# Altium PCB Drone.PcbDoc (part 1 of 2) (continued)
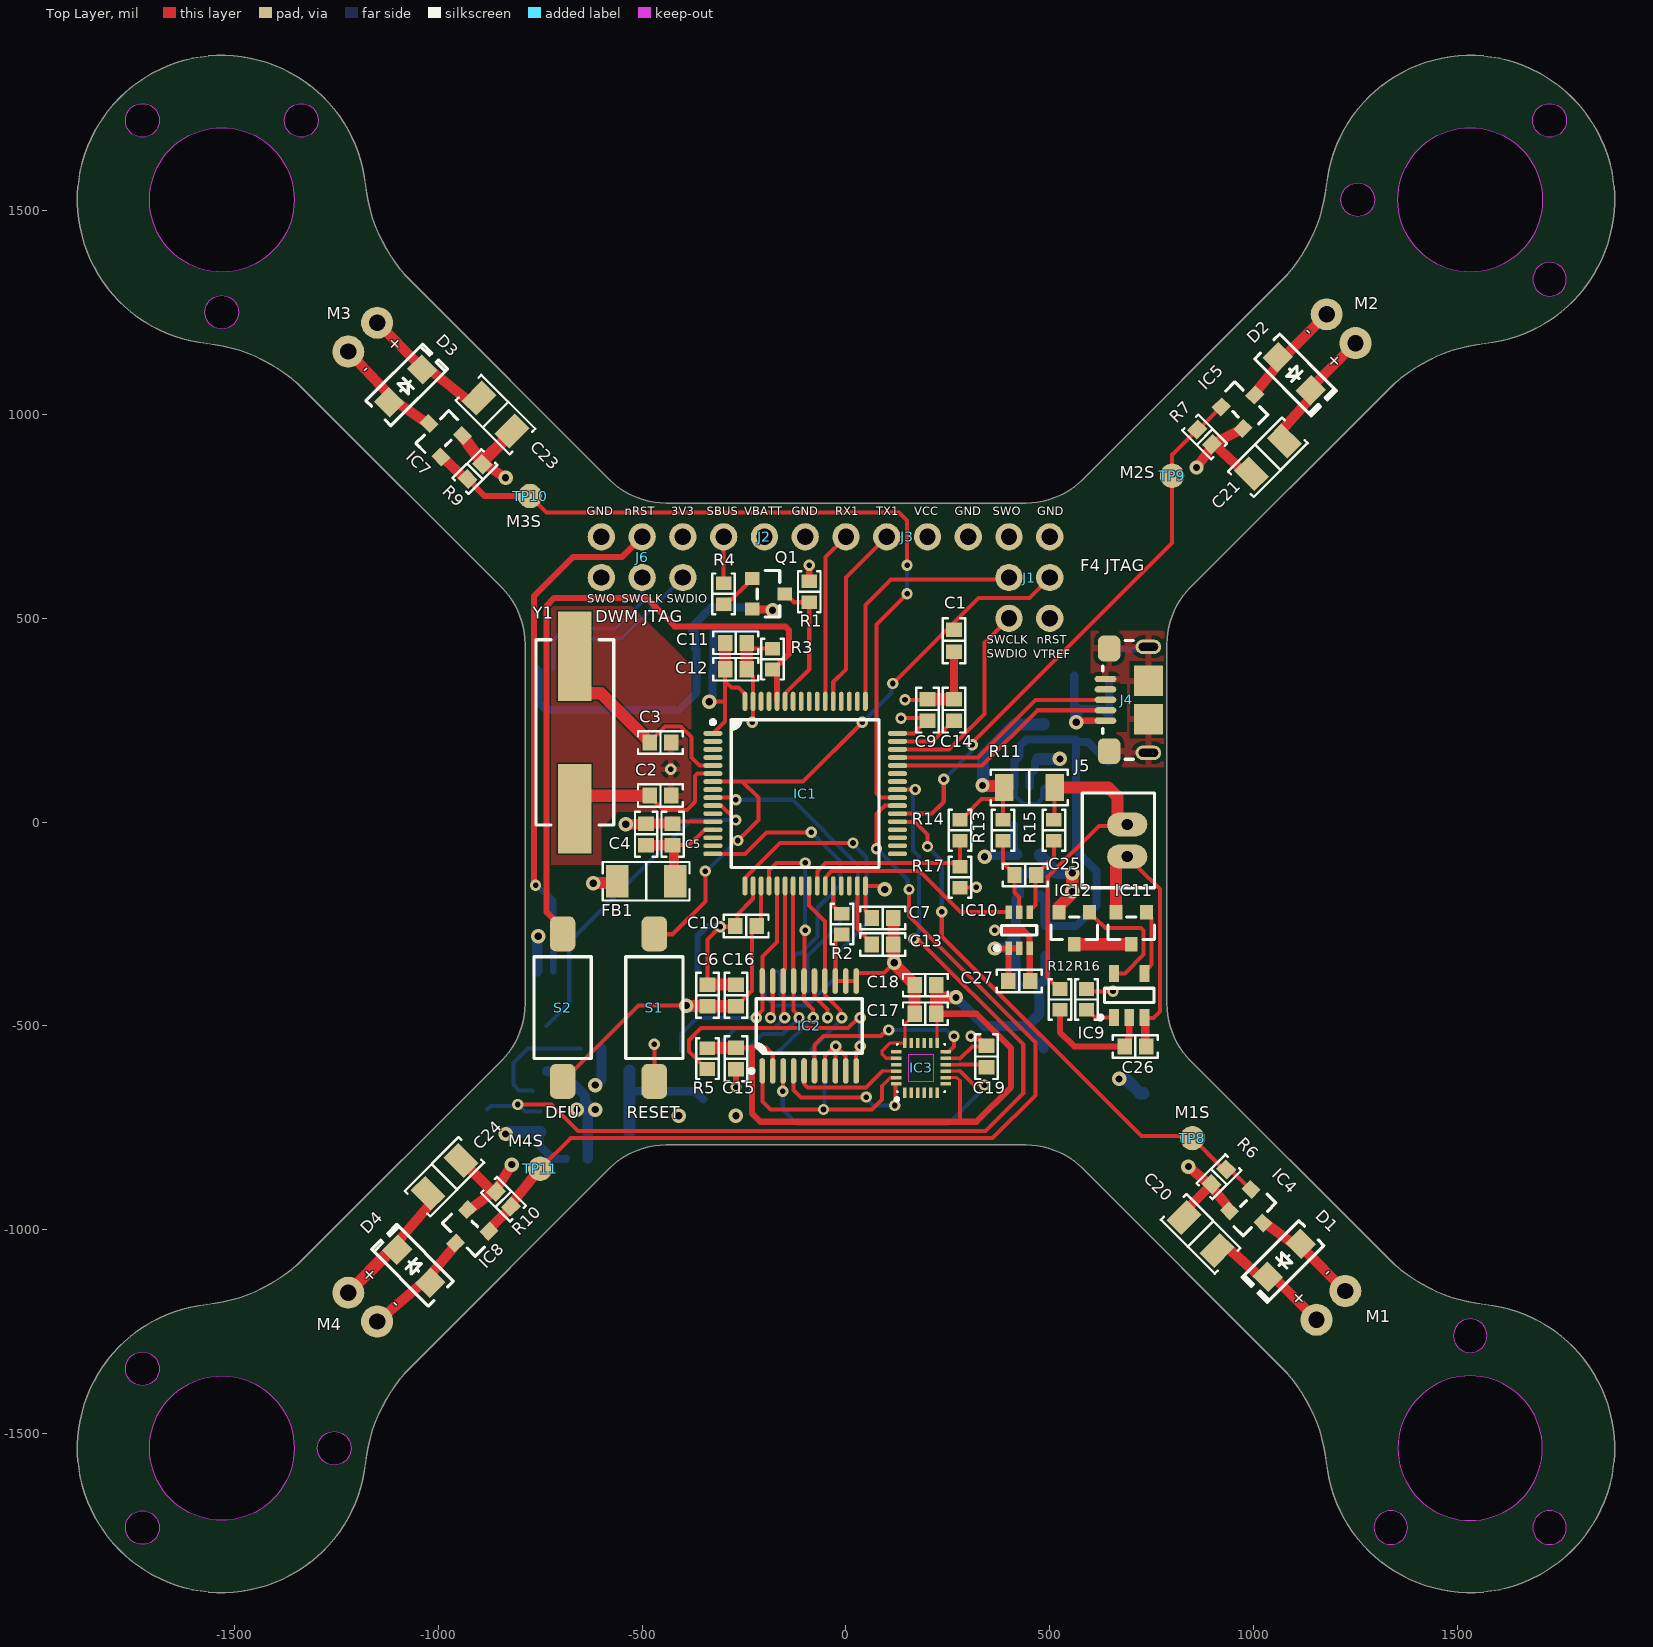
[diagram p0: Top Layer view]
## Part data (continued)
C25: library part CC0603JRX7R8BB223, "CAP CER 0.022UF 25V X7R 0603", Device Package="0603 (1608 Metric)", Manufacturer=Yageo, Operating Temperature="-55°C ~ 125°C", Supplier Part Number 1=311-3998-1-ND, Temperature Coefficient=X7R, Tolerance=±5%, Voltage - Rated=25V, Applications="General Purpose", Capacitance=0.022µF, ComponentLink1Description=Datasheet, ComponentLink1URL=https://www.yageo.com/upload/media/product/productsearch/datasheet/mlcc/UPY-GPHC_X7R_6.3V-to-50V_18.pdf, ComponentLink2Description="DigiKey Link", ComponentLink2URL=http://digikey.com/product-detail/en/yageo/CC0603JRX7R8BB223/311-3998-1-ND/8025087, LastUpdated="9/2/2020 1:03:31 AM", Lifecycle Status=Active, Minimum Order=1, Mounting Type="Surface Mount, MLCC", Package / Case="0603 (1608 Metric)", Packaging=TapeAndReel, Part Number=CC0603JRX7R8BB223, Part Status=Active, PartId=5308, Price=0.01, Series=CC, Size / Dimension="0.063\" L x 0.031\" W (1.60mm x 0.80mm)", Supplier 1=DigiKey, Thickness (Max)="0.035\" (0.90mm)"
D1 D2 D3 D4: "2A,45V,SMF,TRENCH SKY RECT.", Capacitance @ Vr, F="270pF @ 4V, 1MHz", Current - Average Rectified (Io)=2A, Current - Reverse Leakage @ Vr="570µA @ 45V", Manufacturer="Vishay Semiconductor Diodes Division", Operating Temperature - Junction="-40°C ~ 150°C", Package / Case=DO-219AB, Supplier Device Package="DO-219AB (SMF)", Supplier Part Number 1=V2FL45-M3/HGICT-ND, Voltage - DC Reverse (Vr) (Max)=45V, Voltage - Forward (Vf) (Max) @ If="560mV @ 2A", ComponentLink1Description=Datasheet, ComponentLink1URL=http://www.vishay.com/docs/87561/v2fl45.pdf, ComponentLink2Description="DigiKey Link", ComponentLink2URL=http://digikey.com/product-detail/en/vishay-semiconductor-diodes-division/V2FL45-M3-H/V2FL45-M3-HGICT-ND/9360081, Diode Type=Schottky, LastUpdated="9/2/2020 1:23:14 AM", Lifecycle Status=Active, Minimum Order=1, Mounting Type="Surface Mount", Packaging=TapeAndReel, Part Number=V2FL45-M3/H, Part Status=Active, PartId=1281, Price=0.08, Series="eSMP®, TMBS®", Speed="Fast Recovery =< 500ns, > 200mA (Io)", Supplier 1=DigiKey
D5: "DIODE SCHOTTKY 30V 1A DO-219AB", Capacitance @ Vr, F="130pF @ 4V, 1MHz", Current - Average Rectified (Io)=1A, Current - Reverse Leakage @ Vr="200µA @ 30V", Manufacturer="Vishay Semiconductor Diodes Division", Operating Temperature - Junction="-55°C ~ 150°C", Package / Case=DO-219AB, Supplier Device Package="DO-219AB (SMF)", Supplier Part Number 1=SS1FL3-M3/HGICT-ND, Voltage - DC Reverse (Vr) (Max)=30V, Voltage - Forward (Vf) (Max) @ If="480mV @ 1A", ComponentLink1Description=Datasheet, ComponentLink1URL=http://www.vishay.com/docs/87614/ss1fl3.pdf, ComponentLink2Description="DigiKey Link", ComponentLink2URL=http://digikey.com/product-detail/en/vishay-semiconductor-diodes-division/SS1FL3-M3-H/SS1FL3-M3-HGICT-ND/6012990, Diode Type=Schottky, LastUpdated="9/2/2020 1:23:13 AM", Lifecycle Status=Active, Minimum Order=1, Mounting Type="Surface Mount", Packaging=TapeAndReel, Part Number=SS1FL3-M3/H, Part Status=Active, PartId=1332, Price=0.11, Series="Automotive, AEC-Q101, eSMP®", Speed="Fast Recovery =< 500ns, > 200mA (Io)", Supplier 1=DigiKey
FB1: "600OHM DCR MAX 2) A RATED CURREN", Current Rating (Max)=2A, DC Resistance (DCR) (Max)=38mOhm, Device Package="1206 (3216 Metric)", Manufacturer="Murata Electronics", Operating Temperature="-55°C ~ 150°C", Ratings=AEC-Q200, Supplier Part Number 1=490-18087-1-ND, ComponentLink1Description=Datasheet, ComponentLink1URL=https://www.murata.com/en-global/products/productdata/8800169623582/QNFA9138.pdf, ComponentLink2Description="DigiKey Link", ComponentLink2URL=http://digikey.com/product-detail/en/murata-electronics/BLM31KN601BH1L/490-18087-1-ND/9559599, Filter Type="Power Line", Height (Max)="0.071\" (1.80mm)", LastUpdated="9/2/2020 1:18:24 AM", Lifecycle Status=Active, Minimum Order=1, Mounting Type="Surface Mount", Number of Lines=1, Package / Case="1206 (3216 Metric)", Packaging=TapeAndReel, Part Number=BLM31KN601BH1L, Part Status=Active, PartId=1583, Price=0.10, Series="EMIFIL®, BLM31", Size / Dimension="0.126\" L x 0.063\" W (3.20mm x 1.60mm)", Supplier 1=DigiKey
IC1: "IC MCU 32BIT 1MB FLASH 64LQFP", Device Package=64-LQFP, Manufacturer=STMicroelectronics, Operating Temperature="-40°C ~ 85°C (TA)", Supplier Device Package="64-LQFP (10x10)", Supplier Part Number 1=497-17432-2-ND, Voltage - Supply (Vcc/Vdd)="1.8V ~ 3.6V", ComponentLink1Description=Datasheet, ComponentLink1URL=http://www.st.com/content/ccc/resource/technical/document/datasheet/ef/92/76/6d/bb/c2/4f/f7/DM00037051.pdf/files/DM00037051.pdf/jcr:content/translations/en.DM00037051.pdf, ComponentLink2Description="DigiKey Link", ComponentLink2URL=//digikey.com/product-detail/en/stmicroelectronics/STM32F405RGT6TR/497-17432-2-ND/4755958, Connectivity="CANbus, I²C, IrDA, LINbus, SPI, UART/USART, USB OTG", Core Processor="ARM® Cortex®-M4", Core Size=32-Bit, Data Converters="A/D 16x12b; D/A 2x12b", LastUpdated="12/5/2019 11:45:59 PM", Lifecycle Status=0, Minimum Order=1, Mounting Type="Surface Mount", Number of I/O=51, Oscillator Type=Internal, Package / Case=64-LQFP, Packaging=TapeAndReel, Part Number=STM32F405RGT6TR, Part Status=Active, PartId=118, Peripherals="Brown-out Detect/Reset, DMA, I²S, LCD, POR, PWM, WDT", Price=6.14, Program Memory Size="1MB (1M x 8)", Program Memory Type=FLASH, RAM Size="192K x 8", Series=STM32F4, Speed=168MHz, Supplier 1=DigiKey
IC2: "IC TRNSLTR BIDIRECTIONAL 20TSSOP", Device Package="20-TSSOP (0.173\", 4.40mm Width)", Manufacturer="Texas Instruments", Operating Temperature="-40°C ~ 85°C (TA)", Supplier Device Package=20-TSSOP, Supplier Part Number 1=296-21527-1-ND, Voltage - VCCA="1.2V ~ 3.6V", Voltage - VCCB="1.65V ~ 5.5V", Channel Type=Bidirectional, Channels per Circuit=8, ComponentLink1Description=Datasheet, ComponentLink1URL=http://www.ti.com/general/docs/suppproductinfo.tsp?distId=10&gotoUrl=http%3A%2F%2Fwww.ti.com%2Flit%2Fgpn%2Ftxb0108, ComponentLink2Description="DigiKey Link", ComponentLink2URL=http://digikey.com/product-detail/en/texas-instruments/TXB0108PWR/296-21527-1-ND/1305700, Data Rate=100Mbps, Features="Auto-Direction Sensing", LastUpdated="3/30/2020 4:25:06 PM", Lifecycle Status=Active, Minimum Order=1, Mounting Type="Surface Mount", Number of Circuits=1, Output Type="Tri-State, Non-Inverted", Package / Case="20-TSSOP (0.173\", 4.40mm Width)", Packaging=TapeAndReel, Part Number=TXB0108PWR, Part Status=Active, Price=0.69, Series=-, Supplier 1=DigiKey, Translator Type="Voltage Level"
IC3: "Accelerometer, Gyroscope, Magnetometer, 9 Axis Sensor I²C, SPI Output", Supplier Part Number 1=1428-1123-1-ND, Copyright="Copyright (C) 2018 Accelerated Designs. All rights reserved", Datasheet=https://invensense.tdk.com/wp-content/uploads/2016/06/DS-000189-ICM-20948-v1.3.pdf?ref_disty=digikey, Manufacturer_Part_Number=ICM-20948, RefDes=RefDes, SourceLibrary=InvenSense_2020-09-29, Supplier 1=Digi-Key, Type=DEV, Vendor=InvenSense
IC4 IC5 IC7 IC8: "MOSFET N-CH 20V 3A SSOT3", Current - Continuous Drain (Id) @ 25°C="3A (Ta)", Drain to Source Voltage (Vdss)=20V, Drive Voltage (Max Rds On,  Min Rds On)="2.5V, 4.5V", Input Capacitance (Ciss) (Max) @ Vds="700pF @ 10V", Manufacturer="ON Semiconductor", Operating Temperature="-55°C ~ 150°C (TJ)", Package / Case="TO-236-3, SC-59, SOT-23-3", Power Dissipation (Max)="500mW (Ta)", Supplier Device Package=SuperSOT-3, Supplier Part Number 1=FDN339ANCT-ND, ComponentLink1Description=Datasheet, ComponentLink1URL=https://www.onsemi.com/pub/Collateral/FDN339AN-D.PDF, ComponentLink2Description="DigiKey Link", ComponentLink2URL=http://digikey.com/product-detail/en/on-semiconductor/FDN339AN/FDN339ANCT-ND/965603, FET Type=N-Channel, Gate Charge (Qg) (Max) @ Vgs="10nC @ 4.5V", LastUpdated="9/2/2020 1:25:07 AM", Lifecycle Status=Active, Minimum Order=1, Mounting Type="Surface Mount", Packaging=TapeAndReel, Part Number=FDN339AN, Part Status=Active, Price=0.14, Rds On (Max) @ Id, Vgs="35mOhm @ 3A, 4.5V", Series=PowerTrench®, Supplier 1=DigiKey, Technology="MOSFET (Metal Oxide)", Vgs (Max)=±8V, Vgs(th) (Max) @ Id="1.5V @ 250µA"
IC6: "MICREL SEMICONDUCTOR - MIC4802YME - LED DVR, 800MA, 1CH, 8SOIC", Manufacturer=Microchip, Supplier Part Number 1=576-3857-5-ND, Category="LED Drivers", ComponentLink1Description=https://datasheet.ciiva.com/1604/1441850-1604702.pdf?src-supplier=Newark, ComponentLink1URL=https://datasheet.ciiva.com/1604/1441850-1604702.pdf?src-supplier=Newark, ComponentLink2Description=https://datasheet.ciiva.com/1946/mic4802-1946707.pdf?src-supplier=Digi-Key, ComponentLink2URL=https://datasheet.ciiva.com/1946/mic4802-1946707.pdf?src-supplier=Digi-Key, ComponentLink3Description=https://datasheet.ciiva.com/16351/mic4802-16351710.pdf?src-supplier=Future+Electronics, ComponentLink3URL=https://datasheet.ciiva.com/16351/mic4802-16351710.pdf?src-supplier=Future+Electronics, Manufacturer Part Number=MIC4802YME, Pricing 1="1=0.90000, 25=0.75000, 100=0.68000 (USD)", RoHS=Yes, Stock 1=593, Supplier 1=Digi-Key
IC9: "IC BATT PROT LI-ION 1-CELL SOT25", Case/Package=SOT-25, Manufacturer=Diodes, Max Operating Temperature=85°C, Min Operating Temperature=-40°C, Supplier Part Number 1=AP9101CK-AHTRG1DICT-ND, Category="Battery Management", ComponentLink1Description=http://www.mouser.com/ds/2/115/AP9101C-776313.pdf?src-supplier=Mouser, ComponentLink1URL=http://www.mouser.com/ds/2/115/AP9101C-776313.pdf?src-supplier=Mouser, ComponentLink2Description=https://www.diodes.com/assets/Datasheets/AP9101C.pdf?src-supplier=Digi-Key, ComponentLink2URL=https://www.diodes.com/assets/Datasheets/AP9101C.pdf?src-supplier=Digi-Key, Fault Protection="Over Current,Over Voltage", Manufacturer Part Number=AP9101CK-AHTRG1, Number of Cells=1, Packaging="Tape and Reel", Pricing 1="1=0.44000, 10=0.35300, 100=0.20250, 500=0.18750, 1000=0.12750 (USD)", RoHS=Yes, Stock 1=1598, Supplier 1=Digi-Key
IC10: "Precision Current-Sense Amplifier Bi-Directional 1-Channel 50V/V 1.7V to 5.5V 6-Pin SC-70 T/R", Manufacturer="Texas Instruments", Supplier Part Number 1=296-INA190A2IDCKTCT-ND, Category="Amplifiers - Op Amps, Buffer, Instrumentation", Manufacturer Part Number=INA190A2IDCKT, Pricing 1="1=3.20000, 10=2.87300, 25=2.71640, 100=2.23360 (USD)", RoHS=Yes, Stock 1=103, Supplier 1=Digi-Key
IC11 IC12: "MOSFET N-CH 12V 9.3A SC59", Current - Continuous Drain (Id) @ 25°C="9.3A (Ta)", Drain to Source Voltage (Vdss)=12V, Drive Voltage (Max Rds On,  Min Rds On)="1.2V, 2.5V", Input Capacitance (Ciss) (Max) @ Vds="2426pF @ 10V", Manufacturer="Diodes Incorporated", Operating Temperature="-55°C ~ 150°C (TJ)", Package / Case="TO-236-3, SC-59, SOT-23-3", Power Dissipation (Max)="680mW (Ta)", Supplier Device Package=SC-59, Supplier Part Number 1=DMN1019USN-13DICT-ND, ComponentLink1Description=Datasheet, ComponentLink1URL=https://www.diodes.com/assets/Datasheets/DMN1019USN.pdf, ComponentLink2Description="DigiKey Link", ComponentLink2URL=http://digikey.com/product-detail/en/diodes-incorporated/DMN1019USN-13/DMN1019USN-13DICT-ND/4898885, FET Type=N-Channel, Gate Charge (Qg) (Max) @ Vgs="50.6nC @ 8V", LastUpdated="9/2/2020 1:25:02 AM", Lifecycle Status=Active, Minimum Order=1, Mounting Type="Surface Mount", Packaging=TapeAndReel, Part Number=DMN1019USN-13, Part Status=Active, Price=0.10, Rds On (Max) @ Id, Vgs="10mOhm @ 9.7A, 4.5V", Series=-, Supplier 1=DigiKey, Technology="MOSFET (Metal Oxide)", Vgs (Max)=±8V, Vgs(th) (Max) @ Id="800mV @ 250µA"
IC13: "IC REG LINEAR 3.3V 600MA SOT25", Current - Output=600mA, Current - Quiescent (Iq)=80µA, Manufacturer="Diodes Incorporated", Operating Temperature="-40°C ~ 85°C", Package / Case="SC-74A, SOT-753", Supplier Device Package=SOT-25, Supplier Part Number 1=AP2112K-3.3TRG1DICT-ND, Voltage - Input (Max)=6V, Voltage - Output (Min/Fixed)=3.3V, Voltage Dropout (Max)="0.4V @ 600mA", ComponentLink1Description=Datasheet, ComponentLink1URL=https://www.diodes.com/assets/Datasheets/AP2112.pdf, ComponentLink2Description="DigiKey Link", ComponentLink2URL=http://digikey.com/product-detail/en/diodes-incorporated/AP2112K-3.3TRG1/AP2112K-3.3TRG1DICT-ND/4505257, Control Features=Enable, LastUpdated="9/2/2020 1:25:56 AM", Lifecycle Status=Active, Minimum Order=1, Mounting Type="Surface Mount", Number of Regulators=1, Output Configuration=Positive, Output Type=Fixed, Packaging=TapeAndReel, Part Number=AP2112K-3.3TRG1, Part Status=Active, Price=0.10, Protection Features="Over Current, Over Temperature", PSRR="65sB (100Hz ~ 1KHz)", Series=-, Supplier 1=DigiKey
IC14: "IC REG LINEAR 1.8V 150MA SOT23-3", Current - Output=150mA, Current - Quiescent (Iq)=75µA, Current - Supply (Max)=85µA, Manufacturer="Diodes Incorporated", Operating Temperature="-40°C ~ 85°C", Package / Case="TO-236-3, SC-59, SOT-23-3", Supplier Device Package=SOT-23-3, Supplier Part Number 1=AP7313-18SAG-7DICT-ND, Voltage - Input (Max)=6V, Voltage - Output (Min/Fixed)=1.8V, ComponentLink1Description=Datasheet, ComponentLink1URL=https://www.diodes.com/assets/Datasheets/AP7313.pdf, ComponentLink2Description="DigiKey Link", ComponentLink2URL=http://digikey.com/product-detail/en/diodes-incorporated/AP7313-18SAG-7/AP7313-18SAG-7DICT-ND/2270838, LastUpdated="9/2/2020 1:24:49 AM", Lifecycle Status=Active, Minimum Order=1, Mounting Type="Surface Mount", Number of Regulators=1, Output Configuration=Positive, Output Type=Fixed, Packaging=TapeAndReel, Part Number=AP7313-18SAG-7, Part Status=Active, Price=0.11, Protection Features="Over Current, Over Temperature, Short Circuit", PSRR="65dB (100Hz)", Series=-, Supplier 1=DigiKey
IC15: "MOSFET P-CH 20V 4.2A SOT23", Current - Continuous Drain (Id) @ 25°C="4.2A (Ta)", Drain to Source Voltage (Vdss)=20V, Drive Voltage (Max Rds On,  Min Rds On)="1.8V, 4.5V", Input Capacitance (Ciss) (Max) @ Vds="808pF @ 15V", Manufacturer="Diodes Incorporated", Operating Temperature="-55°C ~ 150°C (TJ)", Package / Case="TO-236-3, SC-59, SOT-23-3", Power Dissipation (Max)="1.4W (Ta)", Supplier Device Package=SOT-23, Supplier Part Number 1=DMG2305UX-13DICT-ND, ComponentLink1Description=Datasheet, ComponentLink1URL=https://www.diodes.com/assets/Datasheets/DMG2305UX.pdf, ComponentLink2Description="DigiKey Link", ComponentLink2URL=http://digikey.com/product-detail/en/diodes-incorporated/DMG2305UX-13/DMG2305UX-13DICT-ND/4251589, FET Type=P-Channel, Gate Charge (Qg) (Max) @ Vgs="10.2nC @ 4.5V", LastUpdated="9/2/2020 1:25:04 AM", Lifecycle Status=Active, Minimum Order=1, Mounting Type="Surface Mount", Packaging=TapeAndReel, Part Number=DMG2305UX-13, Part Status=Active, Price=0.05, Rds On (Max) @ Id, Vgs="52mOhm @ 4.2A, 4.5V", Series=-, Supplier 1=DigiKey, Technology="MOSFET (Metal Oxide)", Vgs (Max)=±8V, Vgs(th) (Max) @ Id="900mV @ 250µA"
IC16: "RF TXRX MODULE UWB/BLUETOOTH RTL", Case/Package=SMD/SMT, Frequency=6.5GHz, Manufacturer=DecaWave, Supplier Part Number 1=1479-1004-2-ND, ComponentLink1Description=https://www.decawave.com/sites/default/files/dwm1001_system_overview.pdf?src-supplier=Digi-Key, ComponentLink1URL=https://www.decawave.com/sites/default/files/dwm1001_system_overview.pdf?src-supplier=Digi-Key, Data Rate=6.8Mbps, Interface=I2C,SPI,UART, Manufacturer Part Number=DWM1001, Mount="Surface Mount", Packaging="Tape and Reel", RoHS=No, Supplier 1=Digi-Key
J4: "CONN RCPT USB2.0 MICRO B SMD R/A", Current Rating (Amps)="1.8A per Contact", Manufacturer="Amphenol ICC (FCI)", Operating Temperature="-30°C ~ 80°C", Supplier Part Number 1=609-4616-2-ND, Voltage - Rated=100VAC, ComponentLink1Description=Datasheet, ComponentLink1URL=https://cdn.amphenol-icc.com/media/wysiwyg/files/documentation/datasheet/inputoutput/io_usb_micro.pdf, ComponentLink2Description="DigiKey Link", ComponentLink2URL=//digikey.com/product-detail/en/amphenol-icc-fci/10118193-0001LF/609-4616-2-ND/2785388, Connector Type="USB - micro B", Features="Solder Retention", Gender=Receptacle, LastUpdated="12/9/2019 8:51:28 PM", Lifecycle Status=0, Mating Cycles=10000, Minimum Order=1, Mounting Feature=Horizontal, Mounting Type="Surface Mount, Right Angle; Through Hole", Number of Contacts=5, Number of Ports=1, Packaging=TapeAndReel, Part Number=10118193-0001LF, Part Status=Active, Price=0.21, Series=-, Shielding=Shielded, Specifications="USB 2.0", Supplier 1=DigiKey, Termination=Solder
J5: "CONN HEADER VERT 2POS 2MM", Current Rating (Amps)=2A, Insulation Color=Natural, Manufacturer="JST Sales America Inc.", Material Flammability Rating="UL94 V-0", Operating Temperature="-25°C ~ 85°C", Supplier Part Number 1=455-1704-ND, Voltage Rating=100V, ComponentLink1Description=Datasheet, ComponentLink1URL=http://www.jst-mfg.com/product/pdf/eng/ePH.pdf, ComponentLink2Description="DigiKey Link", ComponentLink2URL=http://digikey.com/product-detail/en/jst-sales-america-inc/B2B-PH-K-S-LF-SN/455-1704-ND/926611, Connector Type=Header, Contact Finish - Mating=Tin, Contact Finish - Post=Tin, Contact Length - Mating="0.130\" (3.30mm)", Contact Length - Post="0.134\" (3.40mm)", Contact Material=Brass, Contact Shape=Square, Contact Type="Male Pin", Fastening Type="Detent Lock", Insulation Height="0.236\" (6.00mm)", Insulation Material="Polyamide (PA66), Nylon 6/6", LastUpdated="1/3/2020 11:40:58 PM", Lifecycle Status=Active, Minimum Order=1, Mounting Type="Through Hole", Number of Positions=2, Number of Positions Loaded=All, Number of Rows=1, Overall Contact Length="0.333\" (8.45mm)", Packaging=Bulk, Part Number=B2B-PH-K-S(LF)(SN), Part Status=Active, PartId=11, Pitch - Mating="0.079\" (2.00mm)", Price=0.17, Series=PH, Shrouding="Shrouded - 4 Wall", Style="Board to Cable/Wire", Supplier 1=DigiKey, Termination="Press-Fit, Solder"
L1: "LED Lighting LH181B White, Warm 2700K 2.9V 350mA 120° 2-SMD, No Lead", Case/Package=SMD/SMT, Color=White, Color Rendering Index (CRI)=90, Correlated Color Temperature (CCT)=2700K, Forward Voltage=2.9V, Manufacturer=Samsung, Max Current Rating=1.4A, Supplier Part Number 1=1510-2252-1-ND, Test Current=350mA, Thermal Resistance of Package=2°C/W, Category=LEDs, ComponentLink1Description=https://cdn.samsung.com/led/file/resource/2018/08/Data_Sheet_LH181B_Rev.3.4.pdf?src-supplier=Digi-Key, ComponentLink1URL=https://cdn.samsung.com/led/file/resource/2018/08/Data_Sheet_LH181B_Rev.3.4.pdf?src-supplier=Digi-Key, Manufacturer Part Number=SCP9WTF1HEL1WKG34E, Mount="Surface Mount", Packaging="Tape and Reel", Pricing 1="1=0.70000, 10=0.45900, 100=0.30060, 1000=0.23730 (USD)", RoHS=No, Stock 1=12970, Supplier 1=Digi-Key, Viewing Angle=110°
Q1: "TRANS NPN 45V 0.1A SOT23-3", Current - Collector (Ic) (Max)=100mA, Current - Collector Cutoff (Max)=15nA, DC Current Gain (hFE) (Min) @ Ic, Vce="110 @ 2mA, 5V", Frequency - Transition=300MHz, Manufacturer="Diodes Incorporated", Operating Temperature="-65°C ~ 150°C (TJ)", Package / Case="TO-236-3, SC-59, SOT-23-3", Power - Max=300mW, Supplier Device Package=SOT-23-3, Supplier Part Number 1=BC847A-7FDICT-ND, Voltage - Collector Emitter Breakdown (Max)=45V, ComponentLink1Description=Datasheet, ComponentLink1URL=https://www.diodes.com/assets/Datasheets/ds11108.pdf, ComponentLink2Description="DigiKey Link", ComponentLink2URL=http://digikey.com/product-detail/en/diodes-incorporated/BC847A-7-F/BC847A-7FDICT-ND/2181058, LastUpdated="9/2/2020 1:30:07 AM", Lifecycle Status=Active, Minimum Order=1, Mounting Type="Surface Mount", Packaging=TapeAndReel, Part Number=BC847A-7-F, Part Status=Active, PartId=122, Price=0.03, Series=-, Supplier 1=DigiKey, Transistor Type=NPN, Vce Saturation (Max) @ Ib, Ic="600mV @ 5mA, 100mA"
R1 R2 R3 R5 R6 R7 R9 R10 R14 R18: library part AC0603FR-0710KL, "RES SMD 10K OHM 1% 1/10W 0603", Device Package="0603 (1608 Metric)", Manufacturer=Yageo, Operating Temperature="-55°C ~ 155°C", Power (Watts)="0.1W, 1/10W", Ratings=AEC-Q200, Supplier Device Package=0603, Supplier Part Number 1=311-10KLDCT-ND, Temperature Coefficient=±100ppm/°C, Tolerance=±1%, ComponentLink1Description=Datasheet, ComponentLink1URL=https://www.yageo.com/upload/media/product/productsearch/datasheet/rchip/PYu-AC_51_RoHS_L_7.pdf, ComponentLink2Description="DigiKey Link", ComponentLink2URL=http://digikey.com/product-detail/en/yageo/AC0603FR-0710KL/311-10KLDCT-ND/2828135, Composition="Thick Film", Features="Automotive AEC-Q200, Moisture Resistant", Height - Seated (Max)="0.022\" (0.55mm)", LastUpdated="9/2/2020 1:09:58 AM", Lifecycle Status=Active, Minimum Order=1, Number of Terminations=2, Package / Case="0603 (1608 Metric)", Packaging=CutTape, Part Number=AC0603FR-0710KL, Part Status=Active, PartId=17347, Price=0.10, Resistance="10 kOhms", Series=AC, Size / Dimension="0.063\" L x 0.031\" W (1.60mm x 0.80mm)", Supplier 1=DigiKey
R4: library part AC0603FR-071KL, "RES SMD 1K OHM 1% 1/10W 0603", Device Package="0603 (1608 Metric)", Manufacturer=Yageo, Operating Temperature="-55°C ~ 155°C", Power (Watts)="0.1W, 1/10W", Ratings=AEC-Q200, Supplier Device Package=0603, Supplier Part Number 1=311-1KLDCT-ND, Temperature Coefficient=±100ppm/°C, Tolerance=±1%, ComponentLink1Description=Datasheet, ComponentLink1URL=https://www.yageo.com/upload/media/product/productsearch/datasheet/rchip/PYu-AC_51_RoHS_L_7.pdf, ComponentLink2Description="DigiKey Link", ComponentLink2URL=http://digikey.com/product-detail/en/yageo/AC0603FR-071KL/311-1KLDCT-ND/2828140, Composition="Thick Film", Features="Automotive AEC-Q200, Moisture Resistant", Height - Seated (Max)="0.022\" (0.55mm)", LastUpdated="9/2/2020 1:09:58 AM", Lifecycle Status=Active, Minimum Order=1, Number of Terminations=2, Package / Case="0603 (1608 Metric)", Packaging=CutTape, Part Number=AC0603FR-071KL, Part Status=Active, PartId=17353, Price=0.10, Resistance="1 kOhms", Series=AC, Size / Dimension="0.063\" L x 0.031\" W (1.60mm x 0.80mm)", Supplier 1=DigiKey
R8: library part AC0603FR-0720KL, "RES SMD 20K OHM 1% 1/10W 0603", Device Package="0603 (1608 Metric)", Manufacturer=Yageo, Operating Temperature="-55°C ~ 155°C", Power (Watts)="0.1W, 1/10W", Ratings=AEC-Q200, Supplier Device Package=0603, Supplier Part Number 1=YAG3577CT-ND, Temperature Coefficient=±100ppm/°C, Tolerance=±1%, ComponentLink1Description=Datasheet, ComponentLink1URL=https://www.yageo.com/upload/media/product/productsearch/datasheet/rchip/PYu-AC_51_RoHS_L_7.pdf, ComponentLink2Description="DigiKey Link", ComponentLink2URL=http://digikey.com/product-detail/en/yageo/AC0603FR-0720KL/YAG3577CT-ND/6006426, Composition="Thick Film", Features="Automotive AEC-Q200, Moisture Resistant", Height - Seated (Max)="0.022\" (0.55mm)", LastUpdated="9/2/2020 1:09:58 AM", Lifecycle Status=Active, Minimum Order=1, Number of Terminations=2, Package / Case="0603 (1608 Metric)", Packaging=CutTape, Part Number=AC0603FR-0720KL, Part Status=Active, PartId=17364, Price=0.10, Resistance="20 kOhms", Series=AC, Size / Dimension="0.063\" L x 0.031\" W (1.60mm x 0.80mm)", Supplier 1=DigiKey
R11: library part KRL1632E-M-R012-F-T5, "RES 0.012 OHM 1% 3/4W 1206", Device Package="1206 (3216 Metric)", Manufacturer=Susumu, Operating Temperature="-55°C ~ 155°C", Power (Watts)="0.75W, 3/4W", Ratings=AEC-Q200, Supplier Device Package=1206, Supplier Part Number 1=408-1571-1-ND, Temperature Coefficient=±50ppm/°C, Tolerance=±1%, ComponentLink1Description=Datasheet, ComponentLink1URL=http://www.susumu.co.jp/common/pdf/n_catalog_partition09_en.pdf, ComponentLink2Description="DigiKey Link", ComponentLink2URL=http://digikey.com/product-detail/en/susumu/KRL1632E-M-R012-F-T5/408-1571-1-ND/3737753, Composition="Metal Foil", Features="Automotive AEC-Q200, Current Sense", Height - Seated (Max)="0.028\" (0.70mm)", LastUpdated="9/2/2020 1:17:50 AM", Lifecycle Status=Active, Minimum Order=1, Number of Terminations=2, Package / Case="1206 (3216 Metric)", Packaging=TapeAndReel, Part Number=KRL1632E-M-R012-F-T5, Part Status=Active, PartId=2675, Price=0.09, Resistance="12 mOhms", Series=KRL, Size / Dimension="0.126\" L x 0.063\" W (3.20mm x 1.60mm)", Supplier 1=DigiKey
R12: library part AC0603FR-07330RL, "RES SMD 330 OHM 1% 1/10W 0603", Device Package="0603 (1608 Metric)", Manufacturer=Yageo, Operating Temperature="-55°C ~ 155°C", Power (Watts)="0.1W, 1/10W", Ratings=AEC-Q200, Supplier Device Package=0603, Supplier Part Number 1=YAG3595CT-ND, Temperature Coefficient=±100ppm/°C, Tolerance=±1%, ComponentLink1Description=Datasheet, ComponentLink1URL=https://www.yageo.com/upload/media/product/productsearch/datasheet/rchip/PYu-AC_51_RoHS_L_7.pdf, ComponentLink2Description="DigiKey Link", ComponentLink2URL=http://digikey.com/product-detail/en/yageo/AC0603FR-07330RL/YAG3595CT-ND/6006444, Composition="Thick Film", Features="Automotive AEC-Q200, Moisture Resistant", Height - Seated (Max)="0.022\" (0.55mm)", LastUpdated="9/2/2020 1:09:46 AM", Lifecycle Status=Active, Minimum Order=1, Number of Terminations=2, Package / Case="0603 (1608 Metric)", Packaging=CutTape, Part Number=AC0603FR-07330RL, Part Status=Active, PartId=22572, Price=0.10, Resistance="330 Ohms", Series=AC, Size / Dimension="0.063\" L x 0.031\" W (1.60mm x 0.80mm)", Supplier 1=DigiKey
R13 R15: library part AC0603FR-07100RL, "RES SMD 100 OHM 1% 1/10W 0603", Device Package="0603 (1608 Metric)", Manufacturer=Yageo, Operating Temperature="-55°C ~ 155°C", Power (Watts)="0.1W, 1/10W", Ratings=AEC-Q200, Supplier Device Package=0603, Supplier Part Number 1=YAG3561CT-ND, Temperature Coefficient=±100ppm/°C, Tolerance=±1%, ComponentLink1Description=Datasheet, ComponentLink1URL=https://www.yageo.com/upload/media/product/productsearch/datasheet/rchip/PYu-AC_51_RoHS_L_7.pdf, ComponentLink2Description="DigiKey Link", ComponentLink2URL=http://digikey.com/product-detail/en/yageo/AC0603FR-07100RL/YAG3561CT-ND/6006410, Composition="Thick Film", Features="Automotive AEC-Q200, Moisture Resistant", Height - Seated (Max)="0.022\" (0.55mm)", LastUpdated="9/2/2020 1:09:58 AM", Lifecycle Status=Active, Minimum Order=1, Number of Terminations=2, Package / Case="0603 (1608 Metric)", Packaging=CutTape, Part Number=AC0603FR-07100RL, Part Status=Active, PartId=17348, Price=0.10, Resistance="100 Ohms", Series=AC, Size / Dimension="0.063\" L x 0.031\" W (1.60mm x 0.80mm)", Supplier 1=DigiKey
R16: library part AC0603FR-072K7L, "RES SMD 2.7K OHM 1% 1/10W 0603", Device Package="0603 (1608 Metric)", Manufacturer=Yageo, Operating Temperature="-55°C ~ 155°C", Power (Watts)="0.1W, 1/10W", Ratings=AEC-Q200, Supplier Device Package=0603, Supplier Part Number 1=YAG3589CT-ND, Temperature Coefficient=±100ppm/°C, Tolerance=±1%, ComponentLink1Description=Datasheet, ComponentLink1URL=https://www.yageo.com/upload/media/product/productsearch/datasheet/rchip/PYu-AC_51_RoHS_L_7.pdf, ComponentLink2Description="DigiKey Link", ComponentLink2URL=http://digikey.com/product-detail/en/yageo/AC0603FR-072K7L/YAG3589CT-ND/6006438, Composition="Thick Film", Features="Automotive AEC-Q200, Moisture Resistant", Height - Seated (Max)="0.022\" (0.55mm)", LastUpdated="9/2/2020 1:09:58 AM", Lifecycle Status=Active, Minimum Order=1, Number of Terminations=2, Package / Case="0603 (1608 Metric)", Packaging=CutTape, Part Number=AC0603FR-072K7L, Part Status=Active, PartId=17370, Price=0.10, Resistance="2.7 kOhms", Series=AC, Size / Dimension="0.063\" L x 0.031\" W (1.60mm x 0.80mm)", Supplier 1=DigiKey
R17: library part CR0603-FX-3002ELF, "RES SMD 30K OHM 1% 1/10W 0603", Device Package="0603 (1608 Metric)", Manufacturer="Bourns Inc.", Operating Temperature="-55°C ~ 155°C", Power (Watts)="0.1W, 1/10W", Supplier Device Package=0603, Supplier Part Number 1=CR0603-FX-3002ELFCT-ND, Temperature Coefficient=±100ppm/°C, Tolerance=±1%, ComponentLink1Description=Datasheet, ComponentLink1URL=https://www.bourns.com/docs/Product-Datasheets/CHPREZTR.pdf, ComponentLink2Description="DigiKey Link", ComponentLink2URL=http://digikey.com/product-detail/en/bourns-inc/CR0603-FX-3002ELF/CR0603-FX-3002ELFCT-ND/4247765, Composition="Thick Film", Features="Moisture Resistant", Height - Seated (Max)="0.022\" (0.55mm)", LastUpdated="9/2/2020 1:10:22 AM", Lifecycle Status=Active, Minimum Order=1, Number of Terminations=2, Package / Case="0603 (1608 Metric)", Packaging=CutTape, Part Number=CR0603-FX-3002ELF, Part Status=Active, PartId=6196, Price=0.10, Resistance="30 kOhms", Series=CR0603, Size / Dimension="0.063\" L x 0.031\" W (1.60mm x 0.80mm)", Supplier 1=DigiKey
S1 S2: "SWITCH TACTILE SPST-NO 0.05A 24V", Contact Rating @ Voltage="0.05A @ 24VDC", Manufacturer="TE Connectivity ALCOSWITCH Switches", Operating Force=180gf, Operating Temperature="-35°C ~ 85°C", Supplier Part Number 1=450-1140-ND, Actuator Height off PCB, Vertical=4.57mm, Actuator Orientation="Top Actuated", Actuator Type=Standard, Circuit=SPST-NO, ComponentLink1Description=Datasheet, ComponentLink1URL=https://www.te.com/commerce/DocumentDelivery/DDEController?Action=srchrtrv&DocNm=1437566-3&DocType=Customer+Drawing&DocLang=English, ComponentLink2Description="DigiKey Link", ComponentLink2URL=http://digikey.com/product-detail/en/te-connectivity-alcoswitch-switches/FSMSM/450-1140-ND/525812, Illumination=Non-Illuminated, LastUpdated="9/2/2020 1:27:08 AM", Lifecycle Status=Active, Minimum Order=1, Mounting Type="Surface Mount", Outline="6.00mm x 3.50mm", Packaging=Bulk, Part Number=FSMSM, Part Status=Active, Price=0.27, Series=FSMSM, Supplier 1=DigiKey, Switch Function=Off-Mom, Termination Style="Gull Wing"
Y1: library part ABLS-8.000MHZ-16-A-4-H-T, "CRYSTAL 8.0000MHZ 16PF SMD", ESR (Equivalent Series Resistance)="80 Ohms", Frequency Stability=±35ppm, Frequency Tolerance=±30ppm, Load Capacitance=16pF, Manufacturer="Abracon LLC", Operating Mode=Fundamental, Operating Temperature="-10°C ~ 60°C", Package / Case=HC-49/US, Supplier Part Number 1=535-14942-1-ND, ComponentLink1Description=Datasheet, ComponentLink1URL=https://abracon.com/Resonators/abls.pdf, ComponentLink2Description="DigiKey Link", ComponentLink2URL=http://digikey.com/product-detail/en/abracon-llc/ABLS-8.000MHZ-16-A-4-H-T/535-14942-1-ND/9998019, Frequency=8MHz, Height - Seated (Max)="0.165\" (4.20mm)", LastUpdated="9/2/2020 1:21:46 AM", Lifecycle Status=Active, Minimum Order=1, Mounting Type="Surface Mount", Packaging=TapeAndReel, Part Number=ABLS-8.000MHZ-16-A-4-H-T, Part Status=Active, PartId=58, Price=0.11, Series=ABLS, Size / Dimension="0.449\" L x 0.185\" W (11.40mm x 4.70mm)", Supplier 1=DigiKey, Type="MHz Crystal"

## Via types
v1: diameter 27.56, hole 13.78, Top Layer to Bottom Layer, tented both sides, 51 vias
v2: diameter 35.43, hole 17.72, Top Layer to Bottom Layer, tented both sides, 27 vias